# Altium PCB relay_ac.PcbDoc
Units mm, origin at the board's own origin, x right, y up, seen from the top; angles counter-clockwise.
Board outline 87.19 x 70 mm, 2 copper layers (Top Layer, Bottom Layer), stack 1.569 mm thick; 69 components, 50 nets, 265 pads, 156 vias.
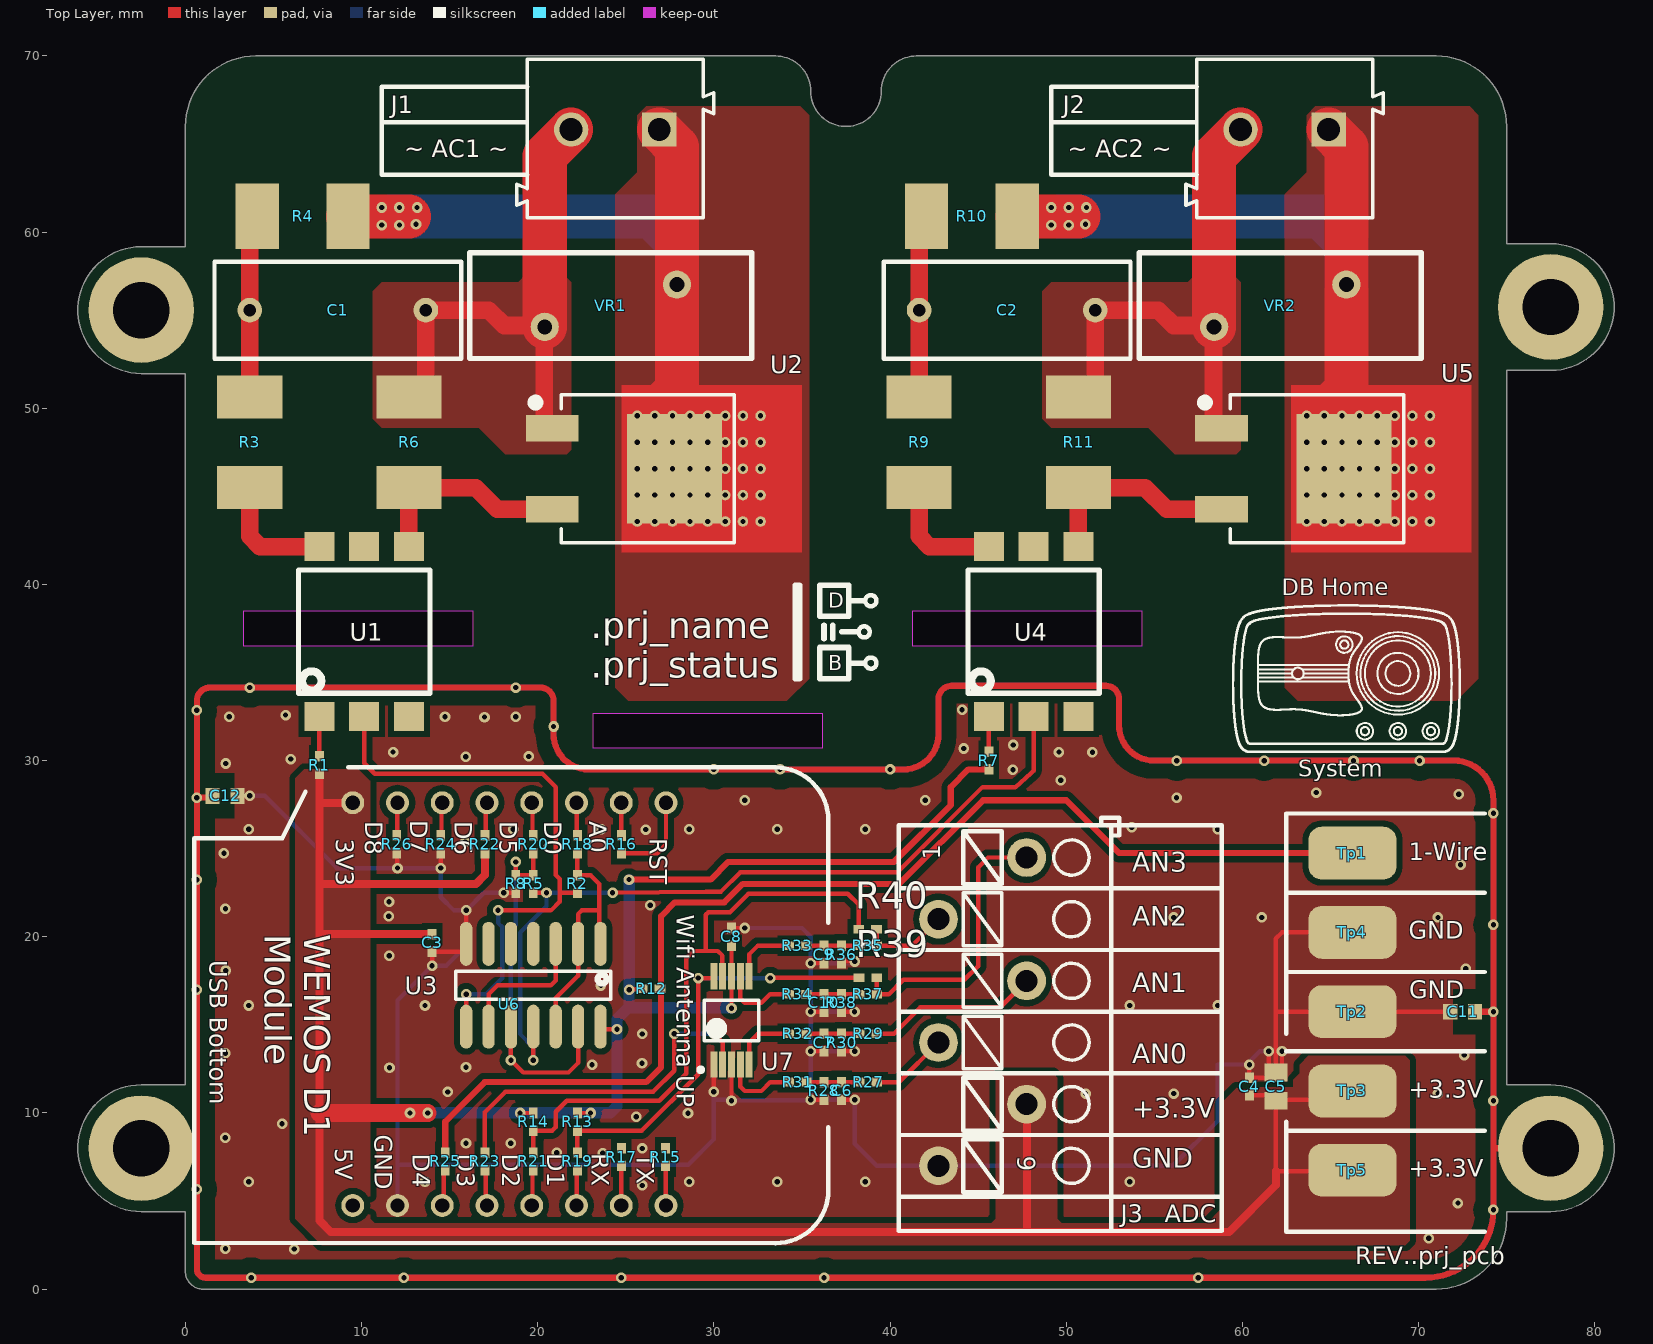
[diagram p0: Top Layer view]
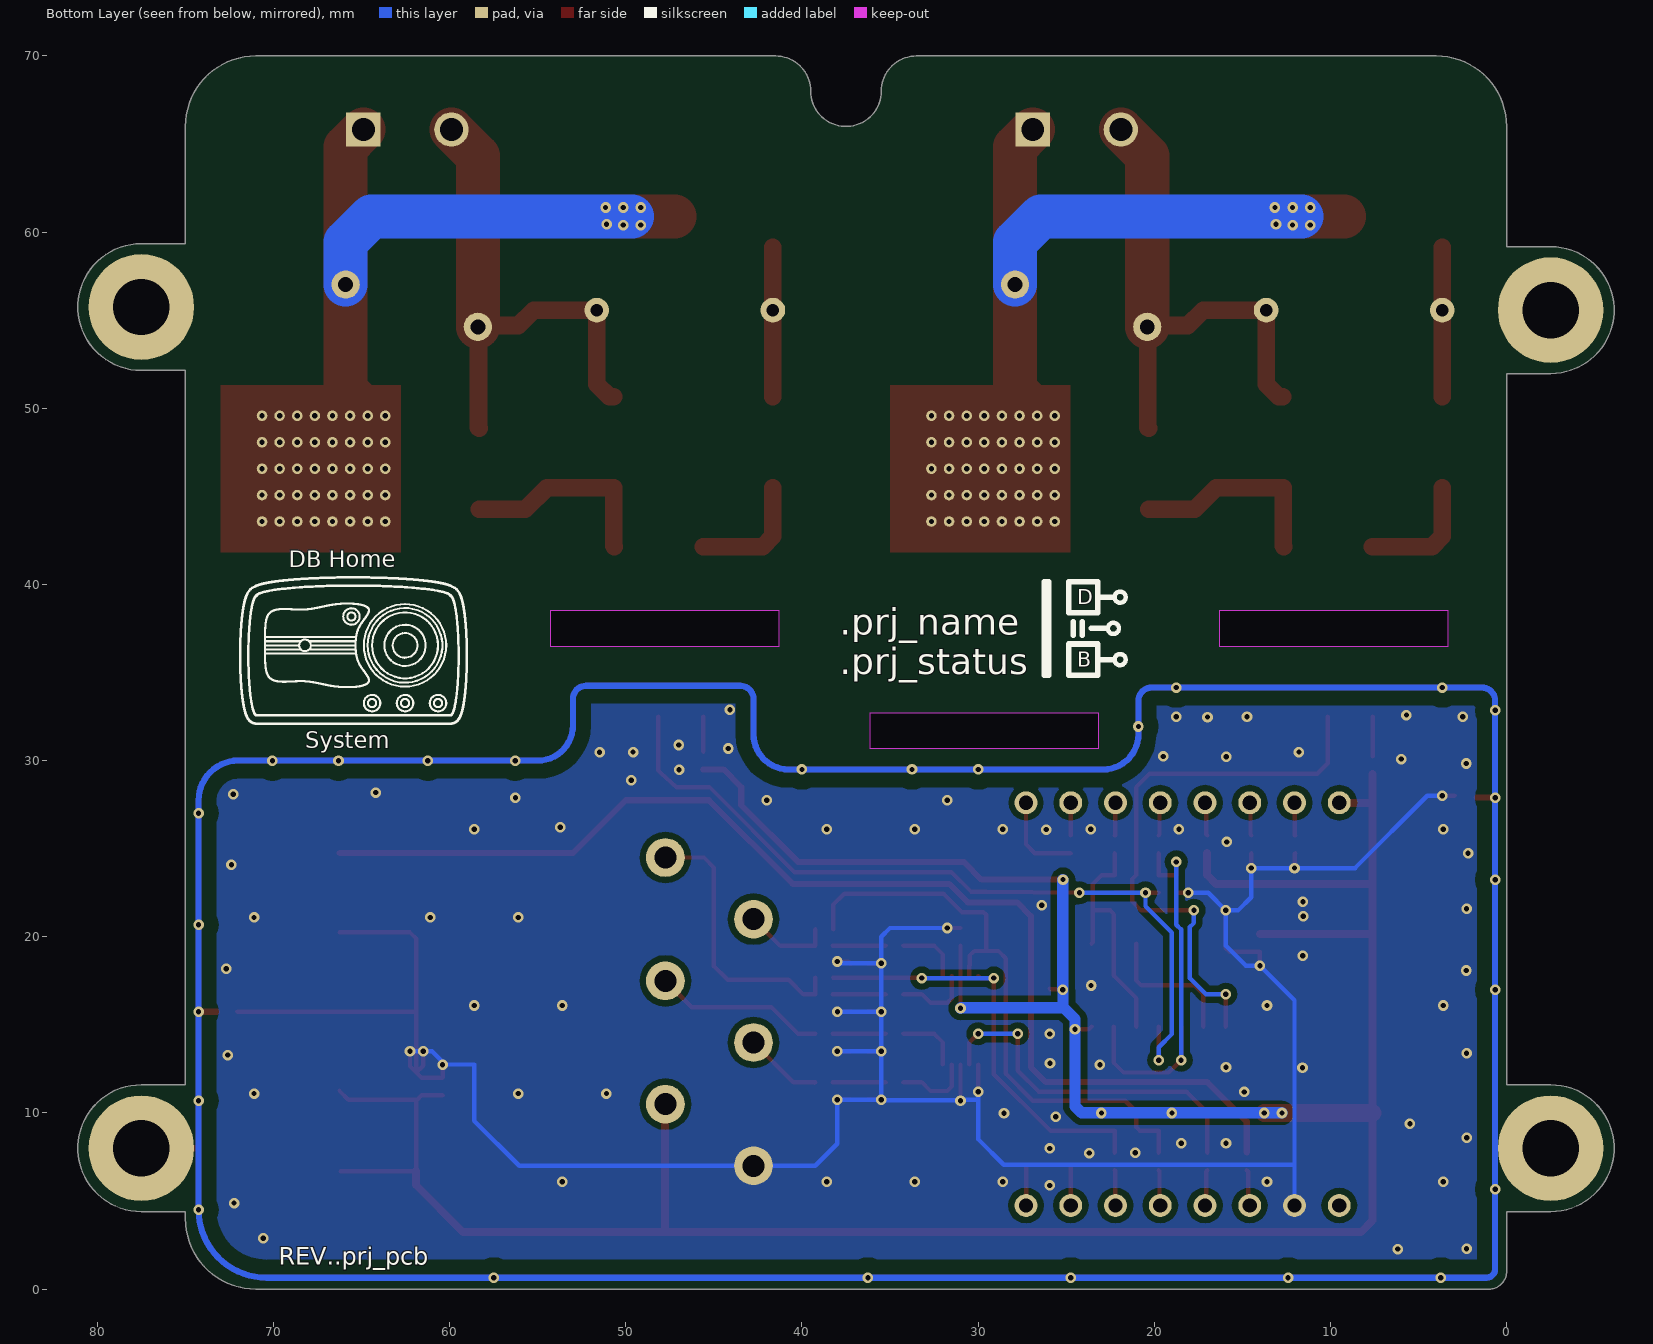
[diagram p1: Bottom Layer view, seen from below]
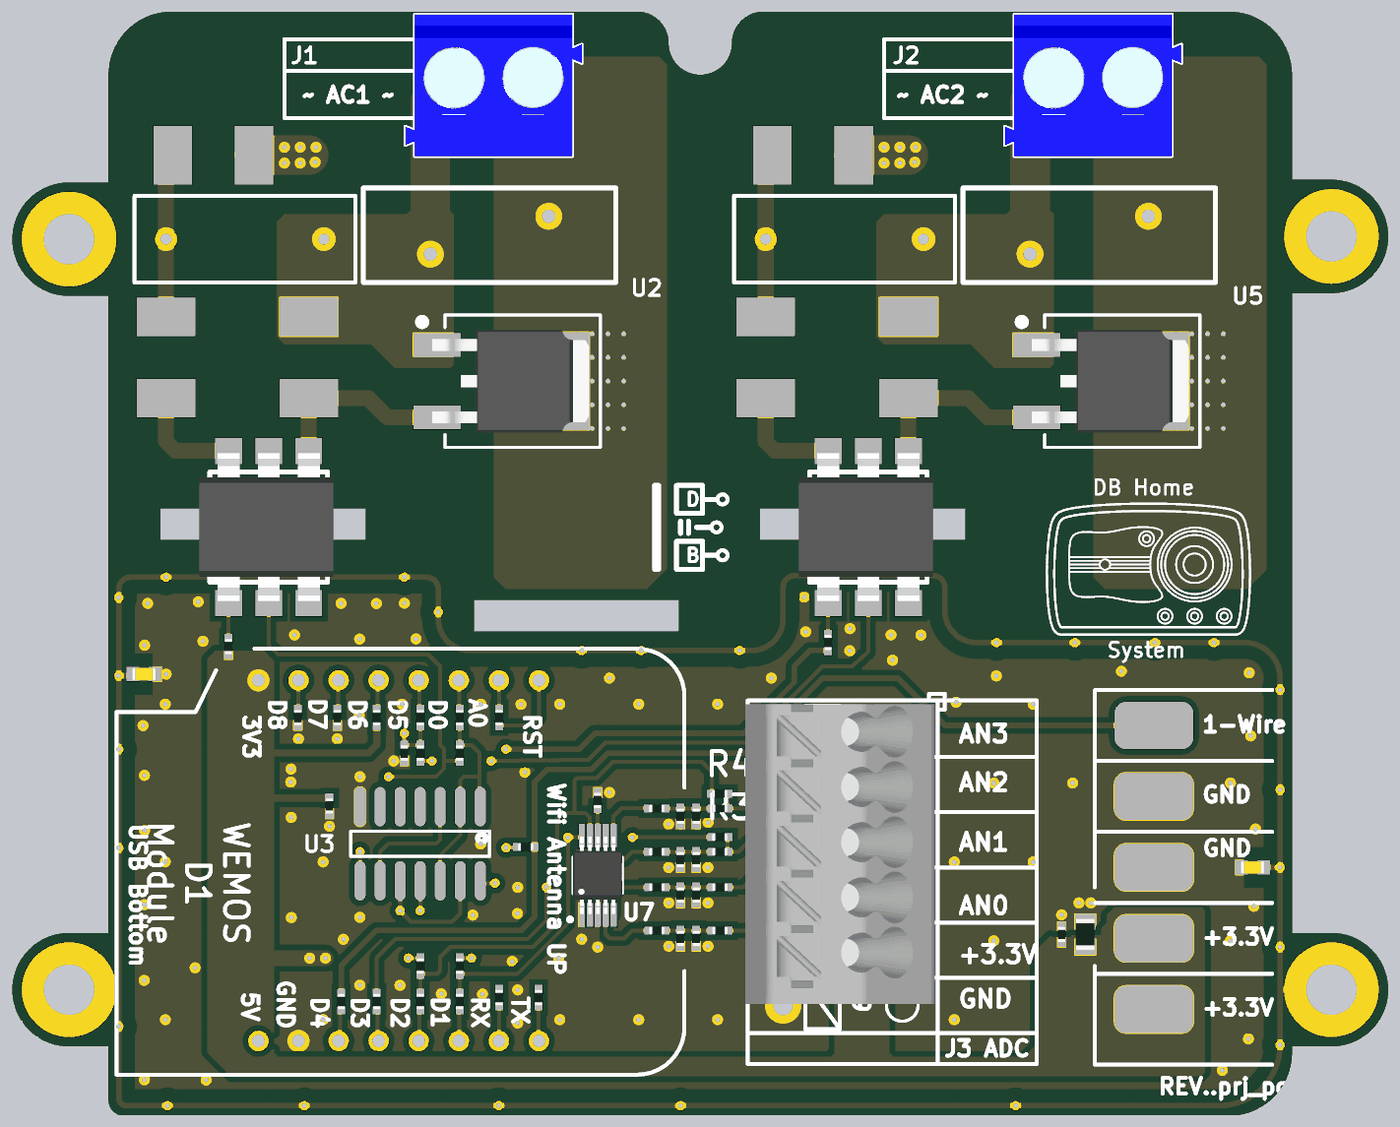
[diagram p2: 3D render of the assembled board from above, using the file's embedded part models]

## Layer stack, top to bottom
Top Solder: solder mask 0.0254, SM-001, Dk 4
Top Layer: signal copper 0.035
Dielectric 1: core 1.4986, Core-043, Dk 4.3
Bottom Layer: signal copper 0.035
Bottom Solder: solder mask 0.0254, SM-001, Dk 4

## Board outline
-2.5,4.4 0,4.4 0,1 ccw(c1,1) 1,0 71,0 ccw(c71,4) 75,4 75,4.4 77.5,4.4 ccw(c77.5,8) 77.5,11.6 75,11.6 75,52.15 77.5,52.15 ccw(c77.5,55.75) 77.5,59.35 75,59.35 75,66 ccw(c71,66) 71,70 41.5,70 ccw(c41.5,68) 39.5,68 cw(c37.5,68) 35.5,68 ccw(c33.5,68) 33.5,70 4,70 ccw(c4,66) 0,66 0,59.175 -2.5,59.175 ccw(c-2.5,55.575) -2.5,51.975 0,51.975 0,11.6 -2.5,11.6 ccw(c-2.5,8)
cut-out: 23.15,32.7 36.15,32.7 36.15,30.7 23.15,30.7
cut-out: 41.3,38.5 54.3,38.5 54.3,36.5 41.3,36.5
cut-out: 3.3,38.5 16.3,38.5 16.3,36.5 3.3,36.5

## Design rules (kind name [scope] priority, off if disabled: settings)
Clearance Clearance_poly [InNet('SHLD')] p1: gap=0.5 ignorepadtopadclearanceinfootprint=FALSE except(0.85: Arc-Fill Arc-Poly Arc-Region Track-Fill Track-Poly Track-Region SMDPad-Fill SMDPad-Poly SMDPad-Region THPad-Fill THPad-Poly THPad-Region Via-Fill Via-Poly Via-Region Fill-Fill Fill-Poly Fill-Region Poly-Poly Poly-Region Region-Region)
Clearance Clearance_015 [InComponentClass('015')] p2: gap=0.1 ignorepadtopadclearanceinfootprint=FALSE
Clearance [All] p3: gap=0.25 ignorepadtopadclearanceinfootprint=FALSE except(0.35: Arc-Fill Arc-Poly Arc-Region Track-Fill Track-Poly Track-Region SMDPad-Fill SMDPad-Poly SMDPad-Region THPad-Fill THPad-Poly THPad-Region Via-Fill Via-Poly Via-Region Fill-Fill Fill-Poly Fill-Region Poly-Poly Poly-Region Region-Region)
ComponentClearance [InComponent('U6')] p1: gap=0 collisioncheckmode=3 verticalgap=0 showdistances=FALSE
ComponentClearance ComponentClearance_logo [HasFootprint('Develer_logo_30x12mm_PCB_NOTE') vs HasFootprint('Develer_logo_30x12mm_TB_Top')] p2: gap=0 collisioncheckmode=3 verticalgap=0 showdistances=FALSE
ComponentClearance ComponentClearance_1 [All] p3: gap=0.254 collisioncheckmode=3 verticalgap=0.254 showdistances=FALSE
DiffPairsRouting [All] p1: maxlimit=0.25 minlimit=0.25 mostfreqgap=0.25 toplayer_minwidth=0.25 toplayer_maxwidth=0.25 toplayer_prefwidth=0.25 bottomlayer_minwidth=0.25 bottomlayer_maxwidth=0.25 bottomlayer_prefwidth=0.25 maxuncoupledlength=0.25
Height [All] p1: minheight=0 maxheight=25 prefheight=12.5
HoleSize [All] p1: absolutevalues=TRUE maxlimit=10 minlimit=0.2 maxpercent=80.000 minpercent=20.000
HoleToHoleClearance [All] p1: gap=0.25 allowstackedmicrovias=TRUE
MinimumSolderMaskSliver [All] p1: minsoldermaskwidth=0.15
PlaneClearance [All] p1: clearance=0.5
PlaneConnect PlaneConnect_via [isvia] p1: planeconnectstyle=Direct reliefexpansion=0.508 reliefentries=4 reliefconductorwidth=0.254 reliefairgap=0.254
PlaneConnect [All] p2: planeconnectstyle=Relief reliefexpansion=0.6 reliefentries=4 reliefconductorwidth=0.6 reliefairgap=0.3
PolygonConnect PolygonConnect_fload [All] p1: connectstyle=Direct reliefconductorwidth=0.254 reliefentries=4 polygonreliefangle="90 Angle" airgapwidth=0.254
PolygonConnect PolygonConnect_AC [InComponentClass('AC1') or InComponentClass('AC2')] p2: connectstyle=Direct reliefconductorwidth=0.45 reliefentries=4 polygonreliefangle="45 Angle" airgapwidth=0.45
PolygonConnect PolygonConnect_via [isvia] p3: connectstyle=Direct reliefconductorwidth=0.254 reliefentries=4 polygonreliefangle="90 Angle" airgapwidth=0.254
PolygonConnect [All] p4: connectstyle=Relief reliefconductorwidth=0.45 reliefentries=4 polygonreliefangle="90 Angle" airgapwidth=0.25
RoomDefinition connector [InComponentClass('connector')] p1: confinementstyle=ConfineIn formatcopy=TRUE lockcomponents=TRUE outline 39.25,31 73.75,31 73.75,70.5 39.25,70.5
RoomDefinition RoomDefinition_AC1 [InComponentClass('AC1')] p2: confinementstyle=ConfineIn formatcopy=TRUE lockcomponents=FALSE outline 1.25,31 35.75,31 35.75,70.5 1.25,70.5
RoutingCorners [All] p1: cornerstyle=45-Degree minsetback=2.5 maxsetback=2.5
RoutingVias [All] p1: holewidth=0.3 width=0.6 viastyle="Through Hole" minholewidth=0.2 minwidth=0.3 maxholewidth=0.5 maxwidth=1
SilkToSilkClearance [All] p1: silktosilkclearance=0.15
SilkToSolderMaskClearance [IsPad] p1: minsilkscreentomaskgap=0.15 clearancetoexposedcopper=TRUE
SolderMaskExpansion SolderMaskExpansion_via [isVia] p1: expansion=-10 istentingtop=FALSE
SolderMaskExpansion [All] p2: expansion=0.05 istentingtop=FALSE
UnRoutedNet [All] p1: checkbadconnections=TRUE
Width [All] p1: maxlimit=5 minlimit=0.15 preferedwidth=0.25
18 further rules are at their usual default settings.

## Classes and differential pairs
component class flood: Tp3 Tp5
component class AC2: C2 J2 R9 R10 R11 U4 U5 VR2
component class AC1: C1 J1 R3 R4 R6 U1 U2 VR1
component class 015: U7

## Components (designator, comment, footprint, x,y, rotation, side; value= is the part's Value field where it differs from the comment)
C1 "22nF X2" RADIAL-10MM 8.65,55.575 r180 top
C2 "22nF X2" RADIAL-10MM 46.65,55.575 r180 top
C3 "100nF" 0402_[1005] 14.004,19.65 r90 top
C4 "100nF" 0402_[1005] 60.4,11.5 r270 top
C5 "4.7uF" 0805_[2012] 61.9,11.5 r270 top
C6 "100nF" 0402_[1005] 37.25,11.25 r90 top
C7 "100nF" 0402_[1005] 36.25,14 r90 top
C8 "100nF" 0402_[1005] 31,20 r270 top
C9 "100nF" 0402_[1005] 36.243,18.993 r90 top
C10 "100nF" 0402_[1005] 36.243,16.243 r90 top
C11 "1nF" 0603_[1608] 72.5,15.75 r0 top
C12 "1nF" 0603_[1608] 2.25,28 r180 top
J1 "~ AC1 ~" CON_WIRE_SCREW_2x1_5MM_THD 24.4,65.325 r180 top
J2 "~ AC2 ~" CON_WIRE_SCREW_2x1_5MM_THD 62.4,65.325 r180 top
J3 "ADC" CON_6P_WAGO_3.5mm 45.25,17.5 r90 top
R1 "330R" 0402_[1005] 7.61,29.75 r270 top
R2 "33R" 0402_[1005] 22.25,23 r90 top
R3 "100R 2W" 2512_[6432] 3.65,48.075 r270 top
R4 "150R 2W" 2512_[6432] 6.65,60.9 r180 top
R5 "33R" 0402_[1005] 19.75,23 r90 top
R6 "390R 1W" 2512_[6432] 12.7,48.075 r270 top
R7 "330R" 0402_[1005] 45.61,30 r270 top
R8 "10k" 0402_[1005] 18.75,23 r270 top
R9 "100R 2W" 2512_[6432] 41.65,48.075 r270 top
R10 "150R 2W" 2512_[6432] 44.65,60.9 r180 top
R11 "390R 1W" 2512_[6432] 50.7,48.075 r270 top
R12 "4k7" 0402_[1005] 26.443,17.05 r180 top
R13 "4k7" 0402_[1005] 22.25,9.5 r90 top
R14 "4k7" 0402_[1005] 19.75,9.5 r90 top
R15 "33R" 0402_[1005] 27.25,7.5 r270 top
R16 "33R" 0402_[1005] 24.75,25.25 r270 top
R17 "33R" 0402_[1005] 24.75,7.5 r270 top
R18 "33R" 0402_[1005] 22.25,25.25 r270 top
R19 "33R" 0402_[1005] 22.25,7.25 r270 top
R20 "33R" 0402_[1005] 19.75,25.25 r270 top
R21 "33R" 0402_[1005] 19.75,7.25 r270 top
R22 "10k" 0402_[1005] 17,25.25 r270 top
R23 "33R" 0402_[1005] 17,7.25 r270 top
R24 "10k" 0402_[1005] 14.5,25.25 r270 top
R25 "33R" 0402_[1005] 14.75,7.25 r270 top
R26 "10k" 0402_[1005] 12,25.25 r270 top
R27 "0R" 0402_[1005] 38.75,11.75 r0 top
R28 "NP" 0402_[1005] 36.25,11.25 r270 top
R29 "0R" 0402_[1005] 38.75,14.5 r0 top
R30 "NP" 0402_[1005] 37.25,14 r270 top
R31 "33R" 0402_[1005] 34.75,11.75 r180 top
R32 "33R" 0402_[1005] 34.75,14.5 r180 top
R33 "33R" 0402_[1005] 34.743,19.493 r180 top
R34 "33R" 0402_[1005] 34.743,16.743 r180 top
R35 "0R" 0402_[1005] 38.743,19.493 r0 top
R36 "NP" 0402_[1005] 37.243,18.993 r270 top
R37 "0R" 0402_[1005] 38.743,16.743 r0 top
R38 "NP" 0402_[1005] 37.243,16.243 r270 top
R39 "NP" 0402_[1005] 38.74,17.673 r0 top
R40 "NP" 0402_[1005] 38.732,20.424 r0 top
Tp1 "1-Wire" TEST_POINT_SMD_R5x3MM 66.25,24.75 r270 top
Tp2 "GND" TEST_POINT_SMD_R5x3MM 66.25,15.75 r270 top
Tp3 "+3.3V" TEST_POINT_SMD_R5x3MM 66.25,11.25 r270 top
Tp4 "GND" TEST_POINT_SMD_R5x3MM 66.25,20.25 r270 top
Tp5 "+3.3V" TEST_POINT_SMD_R5x3MM 66.25,6.75 r270 top
U1 "MOC3042M" SOIC6_OPTO 10.15,37.325 r180 top
U2 "T810-600B-TR" TO-252_D2PAK_LARGEPAD 26.262,46.575 r0 top
U3 "SN74HC00DR" SOIC14 19.75,17.25 r270 top
U4 "MOC3042M" SOIC6_OPTO 48.15,37.325 r180 top
U5 "T810-600B-TR" TO-252_D2PAK_LARGEPAD 64.262,46.575 r0 top
U6 "Wemos D1 Module" WEMOS_D1 18.39,16.18 r270 top
U7 "ADS1015IDGSR" MSOP50P490X110-10P 31,15.25 r90 top
VR1 "S14K320" VAR_DISC_7.5MM_THD 24.15,55.825 r0 top
VR2 "S14K320" VAR_DISC_7.5MM_THD 62.15,55.825 r0 top

## Footprints (in the part's own frame and the unit in brackets; to place one, negate y for a bottom-side part, rotate by r counter-clockwise, add the part's x,y. Pads: shape width x height; smd on the part's side, far side on the other; paste and mask are expansions set on the pad)
0402_[1005] [mm] "Chip Capacitor, Body 1.0x0.5mm, IPC High Density"
  rect 0.6x0.5 smd: 1(-0.5,0) 2(0.5,0)
  body extent -0.5,-0.25 0.5,0.25, height 0.42
0603_[1608] [mm] "Chip Capacitor, Body 1.6x0.8mm, IPC High Density"
  rect 0.8x0.9 smd: 1(-0.7,0) 2(0.7,0)
  body extent -0.75,-0.4 0.75,0.4, height 0.67
0805_[2012] [mm] "Chip Resistor, Body 2.0x1.2mm, IPC High Density"
  rect 1x1.3 smd: 1(-0.8,0) 2(0.8,0)
  body extent -1,-0.6 1,0.6, height 0.62
2512_[6432] [mm]
  rect 2.45x3.7 smd: 1(-2.575,0) 2(2.575,0)
  body extent -3.12,-1.55 3.18,1.55, height 0.6
CON_6P_WAGO_3.5mm [mm] "Connector WAGO_PCB 3.5MM 5"
  round 2.2 hole 1.25: 1(7,-2.5) 2(3.5,2.5) 3(0,-2.5) 4(-3.5,2.5) 5(-7,-2.5) 6(-10.5,2.5)
  silkscreen extent -14.2,-7.75 9.25,4.75, body extent -10.4,-7.1 8.6,4.9, height 13.05
CON_WIRE_SCREW_2x1_5MM_THD [mm] "5,00mm - modular - blue - Horizontal entry with pressure clamp - 12,6mm height - 02p (WE 691101710002)"
  rect 1.95x1.95 hole 1.3: 1(-2.5,-0.5)
  round 1.95 hole 1.3: 2(2.5,-0.5)
  silkscreen extent -5.6,-4.5 5.6,4.5, body extent -5.6,-4.5 5.6,4.5, height 12.65
MSOP50P490X110-10P [mm] "TSSOP, 10-Leads, Body 3,00x3,00mm, Pitch 0,50mm, IPC Medium Density"
  rect 1.5x0.4 smd: 1(-2.5,1) 2(-2.5,0.5) 3(-2.5,0) 4(-2.5,-0.5) 5(-2.5,-1) 6(2.5,-1) 7(2.5,-0.5) 8(2.5,0) 9(2.5,0.5) 10(2.5,1)
  silkscreen extent -2.92,-1.55 1.15,1.87, body extent -2.45,-1.55 2.45,1.55, height 1.1
RADIAL-10MM [mm]
  round 1.4 hole 0.7: 1(-5,0) 2(5,0)
  silkscreen extent -7,-2.75 7,2.75, body extent -6.5,-2 6,2, height 9
SOIC6_OPTO [mm]
  rect 1.7x1.65 smd: 1(2.54,4.826) 2(0,4.826) 3(-2.54,4.826) 4(-2.54,-4.826) 5(0,-4.826) 6(2.54,-4.826)
  silkscreen extent -3.73,-3.5 3.73,3.5, body extent -4.1,-4.69 4.4,4.69, height 5.07
SOIC14 [mm] "SOIC, 14-Leads, Body 8.7x3.9mm, Pitch 1.27mm, IPC High Density"
  oval 2.5x0.7 smd: 1(-2.35,3.81) 2(-2.35,2.54) 3(-2.35,1.27) 4(-2.35,0) 5(-2.35,-1.27) 6(-2.35,-2.54) 7(-2.35,-3.81) 8(2.35,-3.81) 9(2.35,-2.54) 10(2.35,-1.27) 11(2.35,0) 12(2.35,1.27) 13(2.35,2.54) 14(2.35,3.81)
  silkscreen extent -0.8,-4.4 0.8,4.4, body extent -2,-4.38 2,4.38, height 1.75
TEST_POINT_SMD_R5x3MM [mm] "Test point R 5MM x 3MM"
  rrect50% 3x5 smd: 1(0,0)
TO-252_D2PAK_LARGEPAD [mm] "D2-PAK, 4-Leads, Body 8.8x10.4mm, Pitch 2.54mm, Lead Span 15.1mm, IPC High Density"
  rect 3x1.5 smd: 1(-5.437,2.3) 3(-5.437,-2.3)
  round 0.6 hole 0.3 paste-10 mask-10: 2(-0.612,-3) 2(-0.612,-1.5) 2(-0.612,0) 2(-0.612,1.5) 2(-0.612,3) 2(0.388,-3) 2(0.388,-1.5) 2(0.388,0) 2(0.388,1.5) 2(0.388,3) 2(1.388,-3) 2(1.388,-1.5) 2(1.388,0) 2(1.388,1.5) 2(1.388,3) 2(2.388,-3) 2(2.388,-1.5) 2(2.388,0) 2(2.388,1.5) 2(2.388,3) 2(3.388,-3) 2(3.388,-1.5) 2(3.388,0) 2(3.388,1.5) 2(3.388,3) 2(4.388,-3) 2(4.388,-1.5) 2(4.388,0) 2(4.388,1.5) 2(4.388,3) 2(5.388,-3) 2(5.388,-1.5) 2(5.388,0) 2(5.388,1.5) 2(5.388,3) 2(6.388,-3) 2(6.388,-1.5) 2(6.388,0) 2(6.388,1.5) 2(6.388,3)
  rect 5.4x6.2 smd: 2(1.513,0)
  Top Layer region: -1.5,-4.75 8.75,-4.75 8.75,4.75 -1.5,4.75
  silkscreen extent -6.59,-4.2 4.9,4.2, body extent -5.75,-3.27 4.19,3.27, height 2.34
VAR_DISC_7.5MM_THD [mm] "Capacitor X/Y class 7.5mm lead spacing, 5mm tickness, radius 16mm"
  round 1.6 hole 0.85: 1(-3.75,-1.2) 2(3.75,1.2)
  silkscreen extent -8,-3 8,3, body extent -8,-2.7 8,2.7, height 20
WEMOS_D1 [mm]
  round 1.3 hole 0.8: 1(-11.43,8.89) 2(-11.43,6.35) 3(-11.43,3.81) 4(-11.43,1.27) 5(-11.43,-1.27) 6(-11.43,-3.81) 7(-11.43,-6.35) 8(-11.43,-8.89) 9(11.43,-8.89) 10(11.43,-6.35) 11(11.43,-3.81) 12(11.43,-1.27) 13(11.43,1.27) 14(11.43,3.81) 15(11.43,6.35) 16(11.43,8.89)
  silkscreen extent -13.44,-17.88 13.57,18.11
